# Altium PCB Gesturelink V1.PcbDoc (part 2 of 9) (continued)
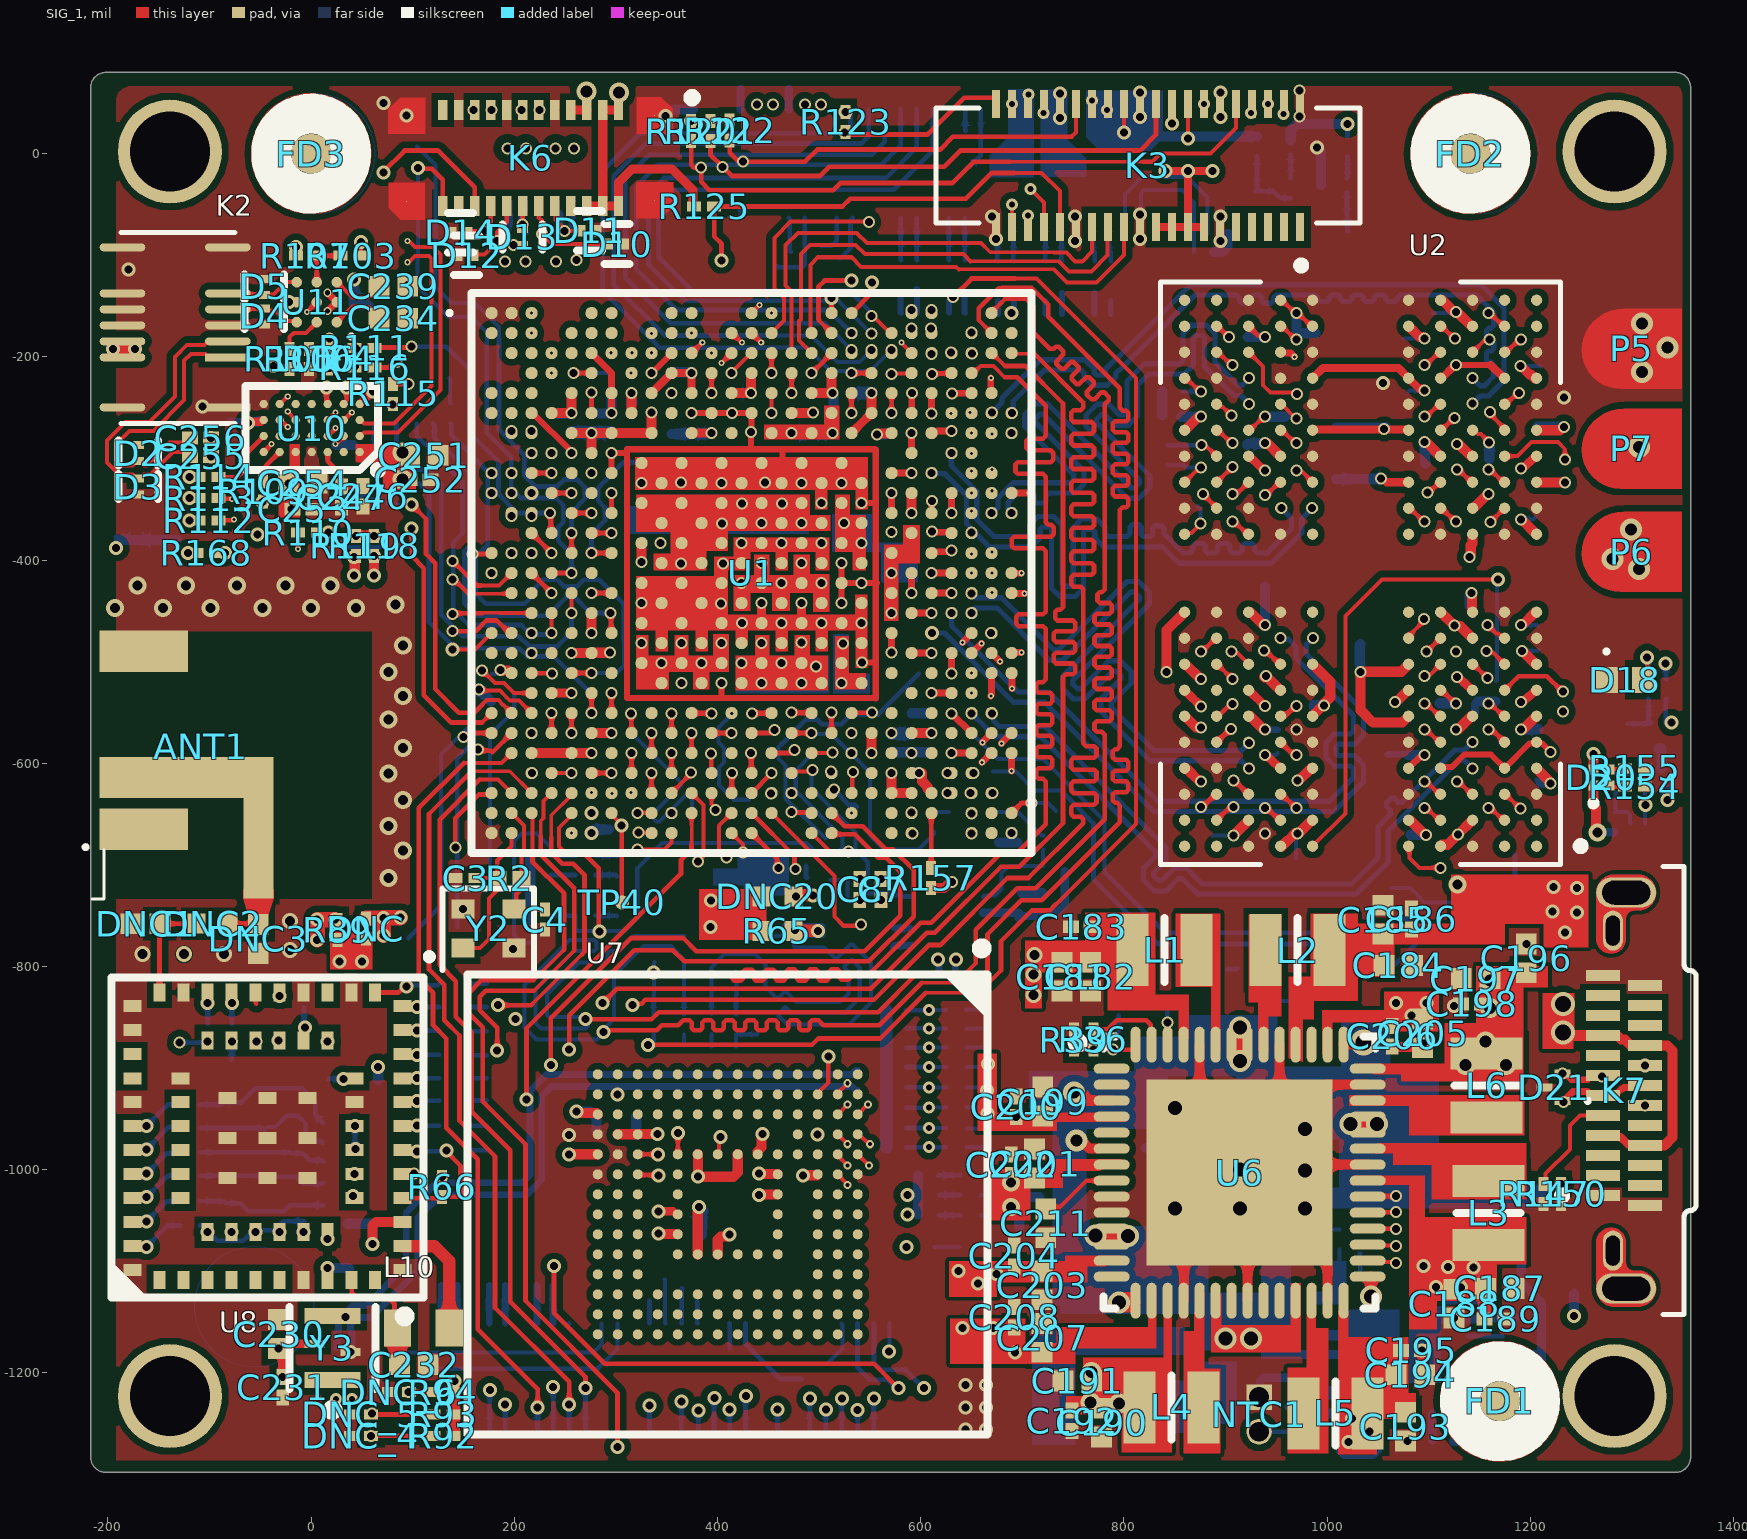
[diagram p0: SIG_1 view]
## Components (designator, comment, footprint, x,y, rotation, side; value= is the part's Value field where it differs from the comment) (continued)
R149 "ERJ-1GNF33R0C" RESC0603X03L 581,-668.99 r0 bottom
R150 "ERJ-1GNF5101C" RESC0603X03L 1230,-1023.99 r270 top
R151 "ERJ-1GNF1003C" RESC0603X03L 1334,-526.99 r270 bottom
R152 "ERJ-1GNF1001C" RESC0603X03L 1316,-526.99 r270 bottom
R153 "ERJ-1GNF1003C" RESC0603X03L 1296,-570.99 r270 bottom
R154 "ERJ-1GNF1001C" RESC0603X03L 1303,-622.99 r0 top
R155 "ERJ-1GNF1001C" RESC0603X03L 1303,-604.99 r0 top
R156 "ERJ-1GNF1003C" RESC0603X03L 569,-717.99 r270 bottom
R157 "ERA-1AEB201C" RESC0603X03L 610,-712.99 r270 top
R158 "ERJ-1GNF1001C" RESC0603X03L 613,-657.99 r90 bottom
R159 "ERJ-1GNF1003C" RESC0603X03L 628,-657.99 r270 bottom
R160 "ERJ-1GNF1001C" RESC0603X03L 538,-714.99 r180 bottom
R161 "ERJ-1GNF1003C" RESC0603X03L 511,-724.99 r270 bottom
R162 "ERJ-1GNF1003C" RESC0603X03L 730,-700.99 r180 bottom
R164 "ERJ-1GNF1003C" RESC0603X03L 1324,-625.99 r180 bottom
R165 "ERJ-1GNF1001C" RESC0603X03L 1283,-657.99 r90 bottom
R166 "ERJ-1GNF1001C" RESC0603X03L 1285,-618.83 r90 bottom
R168 "ERJ-1GNF33R0C" RESC0603X03L -103,-392.99 r180 top
R169 "RC0201FR-072K2L" RESC0603X03L 893.16,-78.99 r180 bottom
R170 "RC0201FR-072K2L" RESC0603X03L 879,-96.99 r180 bottom
R171 "ERJ-1GN0R00C" RESC0603X03L 634,-816.15 r90 bottom
R172 "ERJ-1GN0R00C" RESC0603X03L 618,-816.15 r90 bottom
R173 "RC0201FR-07200KL" RESC0603X03L 1086,-1068.99 r90 bottom
R174 "RK73H1HTTC1212F" RESC0603X03L 1042,-1267.99 r0 bottom
R175 "ERJ-1GNF3321C" RESC0603X03L 1000.84,-1267.99 r180 bottom
R185 "ERJ-1GNF33R0C" RESC0603X03L -119.16,-958.99 r180 bottom
TP "Test Point" "Test Point"#1 43.49,-979.49 r180 bottom
TP1 "Test Point" "Test Point"#2 -178,-956.99 r90 bottom
TP2 "Test Point" "Test Point"#1 -176,-980.99 r90 bottom
TP3 "Test Point" "Test Point"#1 -176,-1005.99 r90 bottom
TP4 "Test Point" "Test Point"#1 -176,-1026.99 r90 bottom
TP5 "Test Point" "Test Point"#3 -175,-1050.99 r90 bottom
TP6 "Test Point" "Test Point"#3 -175,-1075.99 r90 bottom
TP7 "Test Point" "Test Point"#1 665.08,-879.99 r180 bottom
TP8 "Test Point" "Test Point"#1 665.08,-918.99 r180 bottom
TP9 "Test Point" "Test Point"#1 665.08,-959.99 r180 bottom
TP10 "Test Point" "Test Point"#1 665.08,-841.99 r180 bottom
TP11 "Test Point" "Test Point"#1 665.08,-860.99 r180 bottom
TP12 "Test Point" "Test Point"#1 665.08,-898.99 r180 bottom
TP13 "Test Point" "Test Point"#1 665.08,-938.99 r180 bottom
TP14 "Test Point" "Test Point"#1 665.08,-977.99 r180 bottom
TP15 "Test Point" "Test Point"#1 394,-828.15 r180 bottom
TP16 "Test Point" "Test Point"#1 419,-828.15 r180 bottom
TP17 "Test Point" "Test Point"#1 337,-828.15 r180 bottom
TP18 "Test Point" "Test Point"#1 367,-828.15 r180 bottom
TP21 "Test Point" "Test Point"#4 173,-981.99 r180 bottom
TP22 "Test Point" "Test Point"#1 173,-956.99 r180 bottom
TP23 "Test Point" "Test Point"#1 173,-931.99 r180 bottom
TP24 "Test Point" "Test Point"#1 173,-909.99 r180 bottom
TP25 "Test Point" "Test Point"#1 173,-886.99 r180 bottom
TP26 "Test Point" "Test Point"#1 173,-863.99 r180 bottom
TP27 "Test Point" "Test Point"#1 173,-839.99 r180 bottom
TP28 "Test Point" "Test Point"#1 173,-816.99 r180 bottom
TP30 "Test Point" "Test Point"#1 678,-1044.99 r180 bottom
TP31 "Test Point" "Test Point"#1 678,-1024.99 r180 bottom
TP32 "Test Point" "Test Point"#1 678,-1005.99 r180 bottom
TP40 "Test Point" "Test Point"#5 246,-616.99 r180 bottom
U1 "STM32MP257FAK3" STM32MP257FAK3 433.47,-412.83 r0 top locked
U2 "Q6422PM3BDGVK-U" Q6422PM3BDGVK-U 1033,-412.99 r180 top locked
U3 "BQ27427YZFR" BQ27427YZFR 885.31,-995.99 r90 bottom locked
U6 "STPMIC25" QFN127P600-8N 913.88,-1003.01 r0 top locked
U7 "EMMC64G-TY29-5B102" EMMC64G-TY29-5B102 410.05,-1034.15 r270 top locked
U8 "LBEE5PK2AE" LBEE5PK2AE 107.06,-1123.39 r90 top locked
U10 "ADAU1850BCBZRL" BGA28C40P7X4_296X176X57 0.5,-270.12 r180 top locked
U11 "LM4665ITL/NOPB" YZR0009ADAD 5.58,-146.18 r180 top locked
U12 "STSAFA110DFSPL02" STSAFE-A110 352,-720.99 r180 bottom locked
U13 "CBTU02043HEJ" CBTU02043HEJ 626,-738.99 r180 bottom
U20 "MP2723GQC-0000-P" MP2723GQC-0000-P 1068,-1172.99 r180 bottom locked
U220 "ECMF4-40A100N10" ECMF4-40A100N10 159.5,-1087.58 r90 bottom
U221 "ECMF4-40A100N6" ECMF2-40A100N6 23,-1200.99 r90 bottom
U222 "ECMF2-40A100N6" ECMF2-40A100N6 240.6,-1087.58 r270 bottom
U300 "ECMF4-40A100N10" ECMF4-40A100N10 612,-130.99 r270 bottom locked
U301 "ECMF4-40A100N10" ECMF4-40A100N10 707.5,-132.13 r270 bottom locked
U302 "ECMF4-40A100N6" ECMF2-40A100N6 789,-132.13 r270 bottom locked
U? "ECMF4-40A100N10" ECMF4-40A100N10 226,-20.99 r270 bottom locked
Y1 "CM9V-T1A-32.768KHZ-12.5PF-20PPM-TA-QC" XTAL_CM9V-T1A-32.768KHZ-12.5PF-20PPM-TA-QC 29.86,-357.51 r270 bottom
Y2 "FW400WFMT1" FW400WFMT1 149.3,-743.49 r0 top
Y3 "SIT1533AC-H5-D14-32.768D" FP-SiT1533-H-MFG 21,-1175.5 r90 top
Y4 "ECS-TXO-3225MV-245.7-TR" OSC_ECS-TXO-3225MV-245.7-TR -87,-342.99 r0 bottom locked

## Footprints (in the part's own frame and the unit in brackets; to place one, negate y for a bottom-side part, rotate by r counter-clockwise, add the part's x,y. Pads: shape width x height; smd on the part's side, far side on the other; paste and mask are expansions set on the pad)
1285ASH1R0MP2 [mm]
  rect 0.8x1.8 smd: 1(-0.8,0) 2(0.8,0)
  silkscreen extent 0,-0.8 0,0.8, body extent -1,-0.8 1,0.8, height 1
ANT5320LL24R2455A [mm]
  rect 2.794x0.75 smd: 1(-0.33,-2.866)
  rect 1.03x2.21 smd: 1(1.29,0) 1(1.29,-2.136) 2(0,0) 3(4.45,0)
  Multi-Layer pour cut-out: -1.753,1.321 4.953,1.321 4.953,-5.715 -1.753,-5.715 -1.753,1.295
  silkscreen extent -1.74,0.99 -0.4,1.5, body extent -0.45,-1.05 4.95,1.05, height 1.25
B57540G1103F000 [mil]
  round 25 hole 19.64: 1(-1,-33)
  rect 25x25 hole 19.64: 2(-1,1)
BGA28C40P7X4_296X176X57 [mm]
  round 0.208 smd: A1(-1.2,0.6) A2(-0.8,0.6) A3(-0.4,0.6) A4(0,0.6) A5(0.4,0.6) A6(0.8,0.6) A7(1.2,0.6) B1(-1.2,0.2) B2(-0.8,0.2) B3(-0.4,0.2) B4(0,0.2) B5(0.4,0.2) B6(0.8,0.2) B7(1.2,0.2) C1(-1.2,-0.2) C2(-0.8,-0.2) C3(-0.4,-0.2) C4(0,-0.2) C5(0.4,-0.2) C6(0.8,-0.2) C7(1.2,-0.2) D1(-1.2,-0.6) D2(-0.8,-0.6) D3(-0.4,-0.6) D4(0,-0.6) D5(0.4,-0.6) D6(0.8,-0.6) D7(1.2,-0.6)
  silkscreen extent -1.75,-1.05 1.65,1.15, body extent -1.48,-0.88 1.48,0.88, height 0.57
BQ27427YZFR [mm]
  round 0.245 smd paste-1 mask+0.05: A1(-0.5,0.5) A2(0,0.5) A3(0.5,0.5) B1(-0.5,0) B2(0,0) B3(0.5,0) C1(-0.5,-0.5) C2(0,-0.5) C3(0.5,-0.5)
  silkscreen extent -1.45,-0.94 0.94,0.94, body extent -0.81,-0.79 0.81,0.79, height 0.63
BZX884B15L-G3-08 [mm] "DFN, 2-Leads, Body 0.60x1.00mm, Pitch 0.70mm, IPC Medium Density"
  rect 0.45x0.6 smd: 1(-0.375,0) 2(0.325,0)
  silkscreen extent 0.72,-0.05 0.82,0.05, body extent -0.53,-0.33 0.53,0.33, height 0.5
CAPC0603X03L [mm] "Chip Capacitor, Body 0.6x0.3mm, IPC High Density (0201 Imperial)"
  rect 0.4x0.32 smd: 1(-0.26,0) 2(0.26,0)
  body extent -0.3,-0.15 0.3,0.15, height 0.28
CAPC1005X06L [mm] "Chip Capacitor, Body 1.0x0.5mm, IPC High Density (0402 Imperial)"
  rect 0.52x0.52 smd: 1(-0.36,0) 2(0.36,0)
  body extent -0.5,-0.25 0.5,0.25, height 0.46
CBTU02043HEJ [mm]
  oval 0.45x0.25 smd: 1(-0.889,0.991) 2(-0.9,0.591) 3(-0.9,0.191) 4(-0.9,-0.209) 5(-0.9,-0.609) 6(-0.9,-1.009) 9(0.9,-1.009) 10(0.9,-0.609) 11(0.9,-0.209) 12(0.9,0.191) 13(0.9,0.591) 14(0.9,0.991)
  oval 0.25x0.45 smd: 7(-0.2,-1.2) 8(0.2,-1.2) 15(0.2,1.2) 16(-0.2,1.2)
  rect 0.8x1.4 smd: 17(0,0)
  silkscreen extent -1.53,-1.38 0.97,1.42, body extent -0.82,-1.22 0.82,1.22, height 0.55
DF40C-10DS-0.4V(51) [mm]
  rect 1.14x0.2 smd: 1(-0.127,1.25) 2(-0.127,0)
  oval 1.14x0.2 smd: 3(-0.127,-0.4) 4(-0.127,-0.8) 5(-0.127,-1.2) 6(-0.127,-1.6) 7(-0.127,-2.75) 8(2.507,-2.75) 9(2.507,-1.6) 10(2.507,-1.2) 11(2.507,-0.8) 12(2.507,-0.4) 13(2.507,0) 14(2.507,1.25)
  silkscreen extent -0.3,-3.12 2.54,1.65, body extent -0.55,-3.06 2.83,1.54, height 1.4
ECMF2-40A100N6 [mm]
  rect 0.664x0.19 smd: 1(-0.664,0.451) 2(-0.664,0.051) 3(-0.664,-0.349) 4(0.65,-0.349) 5(0.65,0.051) 6(0.65,0.451)
  body extent -0.7,-0.71 0.7,0.84, height 0.25
ECMF4-40A100N10 [mm] "SON, 10-Leads, Body 2.20x1.35mm, Pitch 0.40mm, Thermal Pad 0.00x0.00mm, IPC Medium Density"
  rect 0.664x0.19 smd: 1(-0.664,0.8) 2(-0.664,0.4) 3(-0.664,0) 4(-0.664,-0.4) 5(-0.664,-0.8) 6(0.65,-0.8) 7(0.65,-0.4) 8(0.65,0) 9(0.65,0.4) 10(0.65,0.8)
  silkscreen extent -2.11,1.26 -2.01,1.36, body extent -0.7,-1.12 0.7,1.13, height 0.5
EMMC64G-TY29-5B102 [mm]
  round 0.25 smd: A1(-3.25,3.25) A2(-2.75,3.25) A3(-2.25,3.25) A4(-1.75,3.25) A5(-1.25,3.25) A6(-0.75,3.25) A7(-0.25,3.25) A8(0.25,3.25) A9(0.75,3.25) A10(1.25,3.25) A11(1.75,3.25) A12(2.25,3.25) A13(2.75,3.25) A14(3.25,3.25) B1(-3.25,2.75) B2(-2.75,2.75) B3(-2.25,2.75) B4(-1.75,2.75) B5(-1.25,2.75) B6(-0.75,2.75) B7(-0.25,2.75) B8(0.25,2.75) B9(0.75,2.75) B10(1.25,2.75) B11(1.75,2.75) B12(2.25,2.75) B13(2.75,2.75) B14(3.25,2.75) C1(-3.25,2.25) C2(-2.75,2.25) C3(-2.25,2.25) C4(-1.75,2.25) C5(-1.25,2.25) C6(-0.75,2.25) C7(-0.25,2.25) C8(0.25,2.25) C9(0.75,2.25) C10(1.25,2.25) C11(1.75,2.25) C12(2.25,2.25) C13(2.75,2.25) C14(3.25,2.25) D1(-3.25,1.75) D2(-2.75,1.75) D3(-2.25,1.75) D4(-1.75,1.75) D5(-1.25,1.75) D12(2.25,1.75) D13(2.75,1.75) D14(3.25,1.75) E1(-3.25,1.25) E2(-2.75,1.25) E3(-2.25,1.25) E5(-1.25,1.25) E6(-0.75,1.25) E7(-0.25,1.25) E8(0.25,1.25) E9(0.75,1.25) E10(1.25,1.25) E12(2.25,1.25) E13(2.75,1.25) E14(3.25,1.25) F1(-3.25,0.75) F2(-2.75,0.75) F3(-2.25,0.75) F5(-1.25,0.75) F10(1.25,0.75) F12(2.25,0.75) F13(2.75,0.75) F14(3.25,0.75) G1(-3.25,0.25) G2(-2.75,0.25) G3(-2.25,0.25) G5(-1.25,0.25) G10(1.25,0.25) G12(2.25,0.25) G13(2.75,0.25) G14(3.25,0.25) H1(-3.25,-0.25) H2(-2.75,-0.25) H3(-2.25,-0.25) H5(-1.25,-0.25) H10(1.25,-0.25) H12(2.25,-0.25) H13(2.75,-0.25) H14(3.25,-0.25) J1(-3.25,-0.75) J2(-2.75,-0.75) J3(-2.25,-0.75) J5(-1.25,-0.75) J10(1.25,-0.75) J12(2.25,-0.75) J13(2.75,-0.75) J14(3.25,-0.75) K1(-3.25,-1.25) K2(-2.75,-1.25) K3(-2.25,-1.25) K5(-1.25,-1.25) K6(-0.75,-1.25) K7(-0.25,-1.25) K8(0.25,-1.25) K9(0.75,-1.25) K10(1.25,-1.25) K12(2.25,-1.25) K13(2.75,-1.25) K14(3.25,-1.25) L1(-3.25,-1.75) L2(-2.75,-1.75) L3(-2.25,-1.75) L12(2.25,-1.75) L13(2.75,-1.75) L14(3.25,-1.75) M1(-3.25,-2.25) M2(-2.75,-2.25) M3(-2.25,-2.25) M4(-1.75,-2.25) M5(-1.25,-2.25) M6(-0.75,-2.25) M7(-0.25,-2.25) M8(0.25,-2.25) M9(0.75,-2.25) M10(1.25,-2.25) M11(1.75,-2.25) M12(2.25,-2.25) M13(2.75,-2.25) M14(3.25,-2.25) N1(-3.25,-2.75) N2(-2.75,-2.75) N3(-2.25,-2.75) N4(-1.75,-2.75) N5(-1.25,-2.75) N6(-0.75,-2.75) N7(-0.25,-2.75) N8(0.25,-2.75) N9(0.75,-2.75) N10(1.25,-2.75) N11(1.75,-2.75) N12(2.25,-2.75) N13(2.75,-2.75) N14(3.25,-2.75) P1(-3.25,-3.25) P2(-2.75,-3.25) P3(-2.25,-3.25) P4(-1.75,-3.25) P5(-1.25,-3.25) P6(-0.75,-3.25) P7(-0.25,-3.25) P8(0.25,-3.25) P9(0.75,-3.25) P10(1.25,-3.25) P11(1.75,-3.25) P12(2.25,-3.25) P13(2.75,-3.25) P14(3.25,-3.25)
  silkscreen extent -6.52,-6.5 5.75,6.5, body extent -5.75,-6.5 5.75,6.5, height 0.73
Fiducial [mm]
  round 1 smd paste-1 mask+1: 5(0,0)
  SIG_1 circle w0.01: c0,0 r1.5
  silkscreen extent -1,-1 1,1, body extent -0.49,-0.5 0.51,0.5, height 0.08
FP-SiT1533-H-MFG [mm]
  rect 0.4x1.4 smd paste+0 mask+0: 1(-0.8,0) 3(0.8,0)
  rect 0.2x0.5 smd paste+0 mask+0: 2(-0.1,-0.45) 4(0.1,0.45)
  silkscreen extent -1.67,-1.07 1.02,1.07, body extent -1,-0.6 1,0.6, height 0.6
FP-SOD962-2-MFG [mm]
  rect 0.2x0.28 smd paste-1000 mask-1000: 1(-0.2,0) 2(0.2,0)
  silkscreen extent -0.31,-0.5 0.31,0.5, body extent -0.44,-0.26 0.44,0.26, height 0.25
FUSC1608X100N [mm]
  rect 0.95x1.02 smd: 1(-0.785,0) 2(0.785,0)
  body extent -0.8,-0.4 0.8,0.4, height 1
FW400WFMT1 [mm]
  rect 0.575x0.475 smd: 1(0,-0.975) 2(1.275,-0.975) 3(1.275,0) 4(0,0)
  silkscreen extent -0.87,-1.52 1.78,0.51, body extent -0.37,-1.31 1.63,0.29, height 0.55
HIROSE_DF40C-40DS-0.4V(51) [mm]
  rect 0.2x0.7 smd paste-1: 1(-3.8,-1.54) 2(-3.8,1.54) 3(-3.4,-1.54) 4(-3.4,1.54) 5(-3,-1.54) 6(-3,1.54) 7(-2.6,-1.54) 8(-2.6,1.54) 9(-2.2,-1.54) 10(-2.2,1.54) 11(-1.8,-1.54) 12(-1.8,1.54) 13(-1.4,-1.54) 14(-1.4,1.54) 15(-1,-1.54) 16(-1,1.54) 17(-0.6,-1.54) 18(-0.6,1.54) 19(-0.2,-1.54) 20(-0.2,1.54) 21(0.2,-1.54) 22(0.2,1.54) 23(0.6,-1.54) 24(0.6,1.54) 25(1,-1.54) 26(1,1.54) 27(1.4,-1.54) 28(1.4,1.54) 29(1.8,-1.54) 30(1.8,1.54) 31(2.2,-1.54) 32(2.2,1.54) 33(2.6,-1.54) 34(2.6,1.54) 35(3,-1.54) 36(3,1.54) 37(3.4,-1.54) 38(3.4,1.54) 39(3.8,-1.54) 40(3.8,1.54)
  silkscreen extent -5.3,-1.44 5.3,2.6, body extent -5.31,-1.69 5.29,1.69, height 1.45
HIROSE_DF40C-60DP-0.4V(51) [mm]
  rect 0.23x0.66 smd paste-1: 1(-5.8,-1.355) 2(-5.8,1.355) 3(-5.4,-1.355) 4(-5.4,1.355) 5(-5,-1.355) 6(-5,1.355) 7(-4.6,-1.355) 8(-4.6,1.355) 9(-4.2,-1.355) 10(-4.2,1.355) 11(-3.8,-1.355) 12(-3.8,1.355) 13(-3.4,-1.355) 14(-3.4,1.355) 15(-3,-1.355) 16(-3,1.355) 17(-2.6,-1.355) 18(-2.6,1.355) 19(-2.2,-1.355) 20(-2.2,1.355) 21(-1.8,-1.355) 22(-1.8,1.355) 23(-1.4,-1.355) 24(-1.4,1.355) 25(-1,-1.355) 26(-1,1.355) 27(-0.6,-1.355) 28(-0.6,1.355) 29(-0.2,-1.355) 30(-0.2,1.355) 31(0.2,-1.355) 32(0.2,1.355) 33(0.6,-1.355) 34(0.6,1.355) 35(1,-1.355) 36(1,1.355) 37(1.4,-1.355) 38(1.4,1.355) 39(1.8,-1.355) 40(1.8,1.355) 41(2.2,-1.355) 42(2.2,1.355) 43(2.6,-1.355) 44(2.6,1.355) 45(3,-1.355) 46(3,1.355) 47(3.4,-1.355) 48(3.4,1.355) 49(3.8,-1.355) 50(3.8,1.355) 51(4.2,-1.355) 52(4.2,1.355) 53(4.6,-1.355) 54(4.6,1.355) 55(5,-1.355) 56(5,1.355) 57(5.4,-1.355) 58(5.4,1.355) 59(5.8,-1.355) 60(5.8,1.355)
  rect 0.35x0.66 smd paste-1: S1(-6.275,-1.355) S2(-6.275,1.355) S3(6.275,-1.355) S4(6.275,1.355)
  silkscreen extent -6.76,-2.4 6.76,0.92, body extent -6.77,-1.49 6.75,1.48, height 1.14
"IHHP0805ZHER1R0M01 - duplicate" [mm]
  rect 0.85x1.4 smd: 1(-0.675,0) 2(0.675,0)
  body extent -0.95,-0.6 1.05,0.6, height 0.79
INDC1608LPX08L [mm] "Chip Inductor, Body 0.6x0.3mm, IPC High Density (0603LP Imperial)"
  rect 0.68x0.92 smd: 1(-0.635,0) 2(0.66,0)
  body extent -0.76,-0.42 0.84,0.38, height 0.81
JAE_DX07W024JA1R1000 [mm]
  rect 0.27x0.85 smd: A1(-2.625,0.245) A2(-2.125,0.245) A3(-1.625,0.245) A4(-1.125,0.245) A5(-0.625,0.245) A6(-0.125,0.245) A7(0.375,0.245) A8(0.875,0.245) A9(1.375,0.245) A10(1.875,0.245) A11(2.375,0.245) A12(2.875,0.245) B1(2.625,-0.805) B2(2.125,-0.805) B3(1.625,-0.805) B4(1.125,-0.805) B5(0.625,-0.805) B6(0.125,-0.805) B7(-0.375,-0.805) B8(-0.875,-0.805) B9(-1.375,-0.805) B10(-1.875,-0.805) B11(-2.375,-0.805) B12(-2.875,-0.805)
  oval 0.75x1.5 hole 0.6 slot 1.2 at 90 deg mask+0: S1(-4.95,-0.33) S2(4.95,-0.33)
  oval 1x0.5 hole 0.35 slot 0.75 at 0 deg mask+0: S3(-4,0) S4(4,0)
  SIG_1 region: 184 vertices and 0 holes, not listed, extent -5.4,-1.08 -3.428,0.42
  SIG_1 region: 184 vertices and 0 holes, not listed, extent 3.428,-1.08 5.4,0.42
  SIG_4 region: 184 vertices and 0 holes, not listed, extent -5.4,-1.08 -3.428,0.42
  SIG_4 region: 184 vertices and 0 holes, not listed, extent 3.428,-1.08 5.4,0.42
  silkscreen extent -5.6,-2.08 5.6,1.37, body extent -5.6,-7.63 5.6,0.42, height 3.6
LBEE5PK2AE [mm]
  rect 0.3x0.45 smd: 1(0.62,0.44) 2(1.22,0.44) 3(1.82,0.44) 4(2.42,0.44) 5(3.02,0.44) 6(3.62,0.44) 7(4.22,0.44) 8(4.82,0.44) 9(5.415,0.44) 10(6.02,0.44) 11(6.62,0.44) 12(7.22,0.44) 23(7.22,7.19) 24(6.62,7.19) 25(6.02,7.19) 26(5.415,7.19) 27(4.82,7.19) 28(4.22,7.19) 29(3.62,7.19) 30(3.02,7.19) 31(2.42,7.19) 32(1.82,7.19) 33(1.22,7.19) 34(0.62,7.19) 45(2.42,1.64) 46(3.02,1.64) 47(3.62,1.64) 48(4.22,1.64) 49(4.82,1.64) 50(5.415,1.64) 57(5.415,5.99) 58(4.82,5.99) 59(4.22,5.99) 60(3.62,5.99) 61(3.02,5.99) 62(2.42,5.99) 69(2.92,2.815) 70(3.92,2.815) 71(4.92,2.815) 72(4.92,3.815) 73(4.92,4.815) 74(3.92,4.815) 75(2.92,4.815) 76(2.92,3.815) 77(3.92,3.815)
  rect 0.45x0.3 smd: 13(7.56,1.12) 14(7.56,1.71) 15(7.56,2.31) 16(7.56,2.91) 17(7.56,3.51) 18(7.56,4.11) 19(7.56,4.71) 20(7.56,5.31) 21(7.56,5.91) 22(7.56,6.51) 35(0.37,6.51) 36(0.37,5.91) 37(0.37,5.31) 38(0.37,4.71) 39(0.37,4.11) 40(0.37,3.51) 41(0.37,2.91) 42(0.37,2.31) 43(0.37,1.71) 44(0.37,1.12) 51(6.36,2.31) 52(6.36,2.91) 53(6.36,3.51) 54(6.36,4.11) 55(6.36,4.71) 56(6.36,5.31) 63(1.57,5.31) 64(1.57,4.71) 65(1.57,4.11) 66(1.57,3.51) 67(1.57,2.91) 68(1.57,2.31)
  silkscreen extent -0.66,-0.09 7.94,7.71, body extent 0,-0.12 8,7.68, height 1.16
LED_APGB0607G22R23C [mm]
  rect 0.25x0.25 smd mask+0.05: 1(-0.2,0.2) 2(-0.2,-0.2) 3(0.2,-0.2) 4(0.2,0.2)
  silkscreen extent -0.72,0.12 -0.57,0.28
MP2723GQC-0000-P [mm] "Charger IC Lithium Ion/Polymer 26-QFN (3.5x3.5)"
  round 0.025 smd: 1(-1.8,1.125) 6(-1.8,-1.125) 7(-1.35,-1.7) 13(1.35,-1.7) 14(1.8,-1.125) 19(1.8,1.125) 20(1.35,1.7) 26(-1.35,1.7)
  rect 0.8x0.2 smd: 2(-1.8,0.675) 3(-1.8,0.225) 4(-1.8,-0.225) 5(-1.8,-0.675) 15(1.8,-0.675) 16(1.8,-0.225) 17(1.8,0.225) 18(1.8,0.675)
  rect 0.2x0.8 smd: 8(-0.9,-1.7) 9(-0.45,-1.7) 10(0,-1.7) 11(0.45,-1.7) 12(0.9,-1.7) 21(0.9,1.7) 22(0.45,1.7) 23(0,1.7) 24(-0.45,1.7) 25(-0.9,1.7)
  SIG_1 region: -1.575,-1.3 -1.575,-2.1 -1.25,-2.1 -1.25,-1.3
  SIG_1 region: -2.2,-1.346 -1.245,-1.346 -1.245,-1.025 -2.2,-1.025
  SIG_1 region: 1.25,2.1 1.25,1.3 1.575,1.3 1.575,2.1
  SIG_1 region: 1.245,1.025 2.2,1.025 2.2,1.346 1.245,1.346
  SIG_1 region: 1.245,-1.346 2.2,-1.346 2.2,-1.025 1.245,-1.025
  SIG_1 region: 1.25,-1.3 1.25,-2.1 1.575,-2.1 1.575,-1.3
  SIG_1 region: -1.575,2.1 -1.575,1.3 -1.25,1.3 -1.25,2.1
  SIG_1 region: -2.2,1.025 -1.245,1.025 -1.245,1.346 -2.2,1.346
  silkscreen extent -2.73,-1.95 1.95,1.95, body extent -1.8,-1.8 1.8,1.8, height 0.8
OSC_ECS-TXO-3225MV-245.7-TR [mm]
  rect 1.3x1.1 smd: 1(-1.15,-0.95) 2(1.15,-0.95) 3(1.15,0.95) 4(-1.15,0.95)
  silkscreen extent -2.37,-1.25 0.25,1.25, body extent -1.6,-1.25 1.6,1.25, height 1.2
"Pad for Bat"#1 [mil]
  round 1 smd: 1(0.38,1.34)
  SIG_1 region: -38.99,-6.76 -38.99,50.55 39.75,50.55 39.75,-10.25 36.88,-24.65 28.73,-36.86 16.52,-45.01 2.13,-47.87 2.13,-47.87 -13.61,-44.74 -26.95,-35.83 -35.86,-22.49 -38.99,-6.76
"Pad for Bat"#2 [mil]
  round 1 smd: 1(0.38,2)
  SIG_1 region: -38.99,-6.1 -38.99,51.21 39.75,51.21 39.75,-9.59 36.88,-23.99 28.73,-36.19 16.52,-44.35 2.13,-47.21 2.13,-47.21 -13.61,-44.08 -26.95,-35.17 -35.86,-21.83 -38.99,-6.1
"pad power input" [mm]
  rrect50% 1.1x2.5 smd: 1(-0.003,0.022) 2(2,0.025)
Q6422PM3BDGVK-U [mm]
  round 0.28 smd: A1(-4.4,6.825) A2(-3.6,6.825) A3(-2.8,6.825) A4(-2,6.825) A5(-1.2,6.825) A8(1.2,6.825) A9(2,6.825) A10(2.8,6.825) A11(3.6,6.825) A12(4.4,6.825) AA1(-4.4,-6.175) AA2(-3.6,-6.175) AA3(-2.8,-6.175) AA4(-2,-6.175) AA5(-1.2,-6.175) AA8(1.2,-6.175) AA9(2,-6.175) AA10(2.8,-6.175) AA11(3.6,-6.175) AA12(4.4,-6.175) AB1(-4.4,-6.825) AB2(-3.6,-6.825) AB3(-2.8,-6.825) AB4(-2,-6.825) AB5(-1.2,-6.825) AB8(1.2,-6.825) AB9(2,-6.825) AB10(2.8,-6.825) AB11(3.6,-6.825) AB12(4.4,-6.825) B1(-4.4,6.175) B2(-3.6,6.175) B3(-2.8,6.175) B4(-2,6.175) B5(-1.2,6.175) B8(1.2,6.175) B9(2,6.175) B10(2.8,6.175) B11(3.6,6.175) B12(4.4,6.175) C1(-4.4,5.525) C2(-3.6,5.525) C3(-2.8,5.525) C4(-2,5.525) C5(-1.2,5.525) C8(1.2,5.525) C9(2,5.525) C10(2.8,5.525) C11(3.6,5.525) C12(4.4,5.525) D1(-4.4,4.875) D2(-3.6,4.875) D3(-2.8,4.875) D4(-2,4.875) D5(-1.2,4.875) D8(1.2,4.875) D9(2,4.875) D10(2.8,4.875) D11(3.6,4.875) D12(4.4,4.875) E1(-4.4,4.225) E2(-3.6,4.225) E3(-2.8,4.225) E4(-2,4.225) E5(-1.2,4.225) E8(1.2,4.225) E9(2,4.225) E10(2.8,4.225) E11(3.6,4.225) E12(4.4,4.225) F1(-4.4,3.575) F2(-3.6,3.575) F3(-2.8,3.575) F4(-2,3.575) F5(-1.2,3.575) F8(1.2,3.575) F9(2,3.575) F10(2.8,3.575) F11(3.6,3.575) F12(4.4,3.575) G1(-4.4,2.925) G2(-3.6,2.925) G3(-2.8,2.925) G4(-2,2.925) G5(-1.2,2.925) G8(1.2,2.925) G9(2,2.925) G10(2.8,2.925) G11(3.6,2.925) G12(4.4,2.925) H1(-4.4,2.275) H2(-3.6,2.275) H3(-2.8,2.275) H4(-2,2.275) H5(-1.2,2.275) H8(1.2,2.275) H9(2,2.275) H10(2.8,2.275) H11(3.6,2.275) H12(4.4,2.275) J1(-4.4,1.625) J2(-3.6,1.625) J3(-2.8,1.625) J4(-2,1.625) J5(-1.2,1.625) J8(1.2,1.625) J9(2,1.625) J10(2.8,1.625) J11(3.6,1.625) J12(4.4,1.625) K1(-4.4,0.975) K2(-3.6,0.975) K3(-2.8,0.975) K4(-2,0.975) K5(-1.2,0.975) K8(1.2,0.975) K9(2,0.975) K10(2.8,0.975) K11(3.6,0.975) K12(4.4,0.975) N1(-4.4,-0.975) N2(-3.6,-0.975) N3(-2.8,-0.975) N4(-2,-0.975) N5(-1.2,-0.975) N8(1.2,-0.975) N9(2,-0.975) N10(2.8,-0.975) N11(3.6,-0.975) N12(4.4,-0.975) P1(-4.4,-1.625) P2(-3.6,-1.625) P3(-2.8,-1.625) P4(-2,-1.625) P5(-1.2,-1.625) P8(1.2,-1.625) P9(2,-1.625) P10(2.8,-1.625) P11(3.6,-1.625) P12(4.4,-1.625) R1(-4.4,-2.275) R2(-3.6,-2.275) R3(-2.8,-2.275) R4(-2,-2.275) R5(-1.2,-2.275) R8(1.2,-2.275) R9(2,-2.275) R10(2.8,-2.275) R11(3.6,-2.275) R12(4.4,-2.275) T1(-4.4,-2.925) T2(-3.6,-2.925) T3(-2.8,-2.925) T4(-2,-2.925) T5(-1.2,-2.925) T8(1.2,-2.925) T9(2,-2.925) T10(2.8,-2.925) T11(3.6,-2.925) T12(4.4,-2.925) U1(-4.4,-3.575) U2(-3.6,-3.575) U3(-2.8,-3.575) U4(-2,-3.575) U5(-1.2,-3.575) U8(1.2,-3.575) U9(2,-3.575) U10(2.8,-3.575) U11(3.6,-3.575) U12(4.4,-3.575) V1(-4.4,-4.225) V2(-3.6,-4.225) V3(-2.8,-4.225) V4(-2,-4.225) V5(-1.2,-4.225) V8(1.2,-4.225) V9(2,-4.225) V10(2.8,-4.225) V11(3.6,-4.225) V12(4.4,-4.225) W1(-4.4,-4.875) W2(-3.6,-4.875) W3(-2.8,-4.875) W4(-2,-4.875) W5(-1.2,-4.875) W8(1.2,-4.875) W9(2,-4.875) W10(2.8,-4.875) W11(3.6,-4.875) W12(4.4,-4.875) Y1(-4.4,-5.525) Y2(-3.6,-5.525) Y3(-2.8,-5.525) Y4(-2,-5.525) Y5(-1.2,-5.525) Y8(1.2,-5.525) Y9(2,-5.525) Y10(2.8,-5.525) Y11(3.6,-5.525) Y12(4.4,-5.525)
  silkscreen extent -5.6,-7.28 5,7.28, body extent -5,-7.25 5,7.25, height 0.95
QFN127P600-8N [mm]
  oval 0.9x0.25 smd: 1(-3.2,2.6) 2(-3.2,2.2) 3(-3.2,1.8) 4(-3.2,1.4) 5(-3.2,1) 6(-3.2,0.6) 7(-3.2,0.2) 8(-3.2,-0.2) 9(-3.2,-0.6) 10(-3.2,-1) 11(-3.2,-1.4) 12(-3.2,-1.8) 13(-3.2,-2.2) 14(-3.2,-2.6) 29(3.2,-2.6) 30(3.2,-2.2) 31(3.2,-1.8) 32(3.2,-1.4) 33(3.2,-1) 34(3.2,-0.6) 35(3.2,-0.2) 36(3.2,0.2) 37(3.2,0.6) 38(3.2,1) 39(3.2,1.4) 40(3.2,1.8) 41(3.2,2.2) 42(3.2,2.6)
  oval 0.25x0.9 smd: 15(-2.6,-3.2) 16(-2.2,-3.2) 17(-1.8,-3.2) 18(-1.4,-3.2) 19(-1,-3.2) 20(-0.6,-3.2) 21(-0.2,-3.2) 22(0.2,-3.2) 23(0.6,-3.2) 24(1,-3.2) 25(1.4,-3.2) 26(1.8,-3.2) 27(2.2,-3.2) 28(2.6,-3.2) 43(2.6,3.2) 44(2.2,3.2) 45(1.8,3.2) 46(1.4,3.2) 47(1,3.2) 48(0.6,3.2) 49(0.2,3.2) 50(-0.2,3.2) 51(-0.6,3.2) 52(-1,3.2) 53(-1.4,3.2) 54(-1.8,3.2) 55(-2.2,3.2) 56(-2.6,3.2)
  rect 4.65x4.65 smd: 57(0,0)
  silkscreen extent -4.17,-3.4 3.4,3.4, body extent -3.25,-3.25 3.25,3.25, height 0.9
RCLAMP3552TQTNT [mm]
  rect 0.2x0.4 smd: 1(-0.34,-0.225) 2(0.34,-0.225) 3(0,0.225)
  silkscreen extent -0.39,-0.9 -0.29,-0.8, body extent -0.5,-0.41 0.5,0.41, height 0.53
RCLAMP04041PW.C [mm]
  rect 0.55x0.65 smd: 1(-0.5,0) 2(0.4,0)
  silkscreen extent -0.56,0.66 -0.46,0.76, body extent -0.56,-0.31 0.46,0.31, height 0.55
RESC0603X03L [mm] "Chip Resistor, Body 0.6x0.3mm, IPC High Density (0201 Imperial)"
  rect 0.35x0.25 smd: 1(-0.25,0) 2(0.25,0)
  body extent -0.32,-0.17 0.32,0.17, height 0.26
RESC0603X03N [mm] "Chip Resistor, Body 0.6x0.3mm, IPC Medium Density (0201 Imperial)"
  rect 0.45x0.35 smd: 1(-0.3,0) 2(0.3,0)
  body extent -0.32,-0.17 0.32,0.17, height 0.26
RESC1005X04L [mm] "Chip Resistor, Body 1.0x0.5mm, IPC High Density (0402 Imperial)"
  rect 0.45x0.5 smd: 1(-0.4,0) 2(0.4,0)
  body extent -0.53,-0.28 0.53,0.28, height 0.4
S70-220101045R#1 [mm]
  oval 2x1 smd far side mask+0: 1(0.121,0.028)
S70-220101045R#2 [mm]
  oval 2x1 smd far side mask+0: 1(0.127,0.028)
SSM3K15ACT [mm]
  rect 0.35x0.25 smd: 1(-0.325,0.175) 2(-0.325,-0.175)
  rect 0.45x0.6 smd: 3(0.325,0)
  silkscreen extent -0.57,0.68 -0.48,0.77, body extent -0.53,-0.33 0.53,0.33, height 0.4